# KiCad board PortWing.kicad_pcb
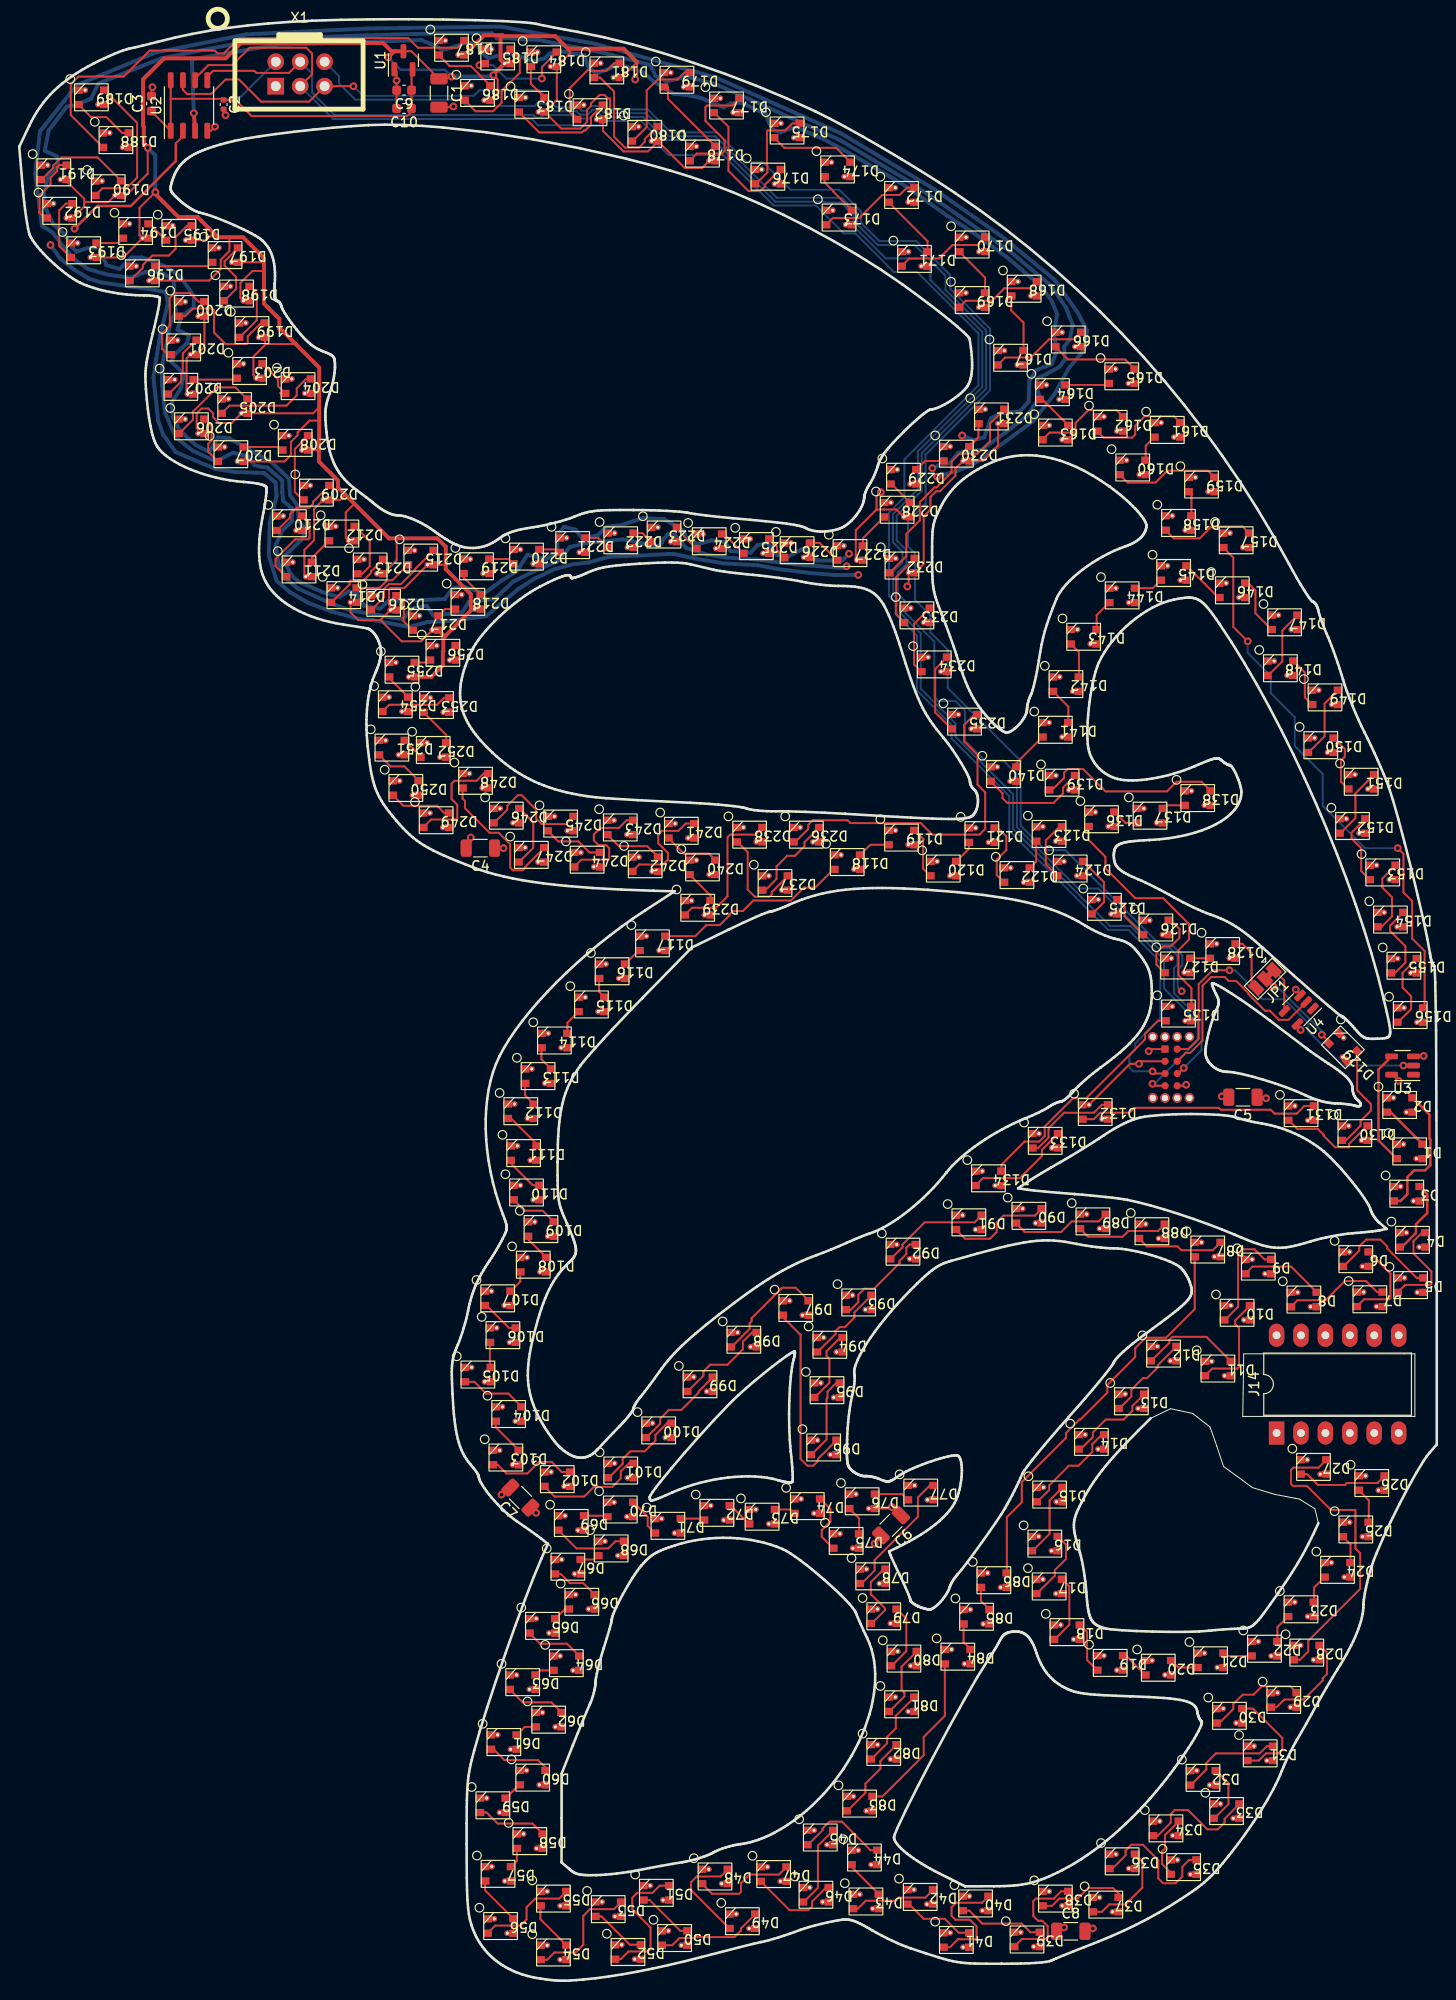
[diagram p0: board, top side]
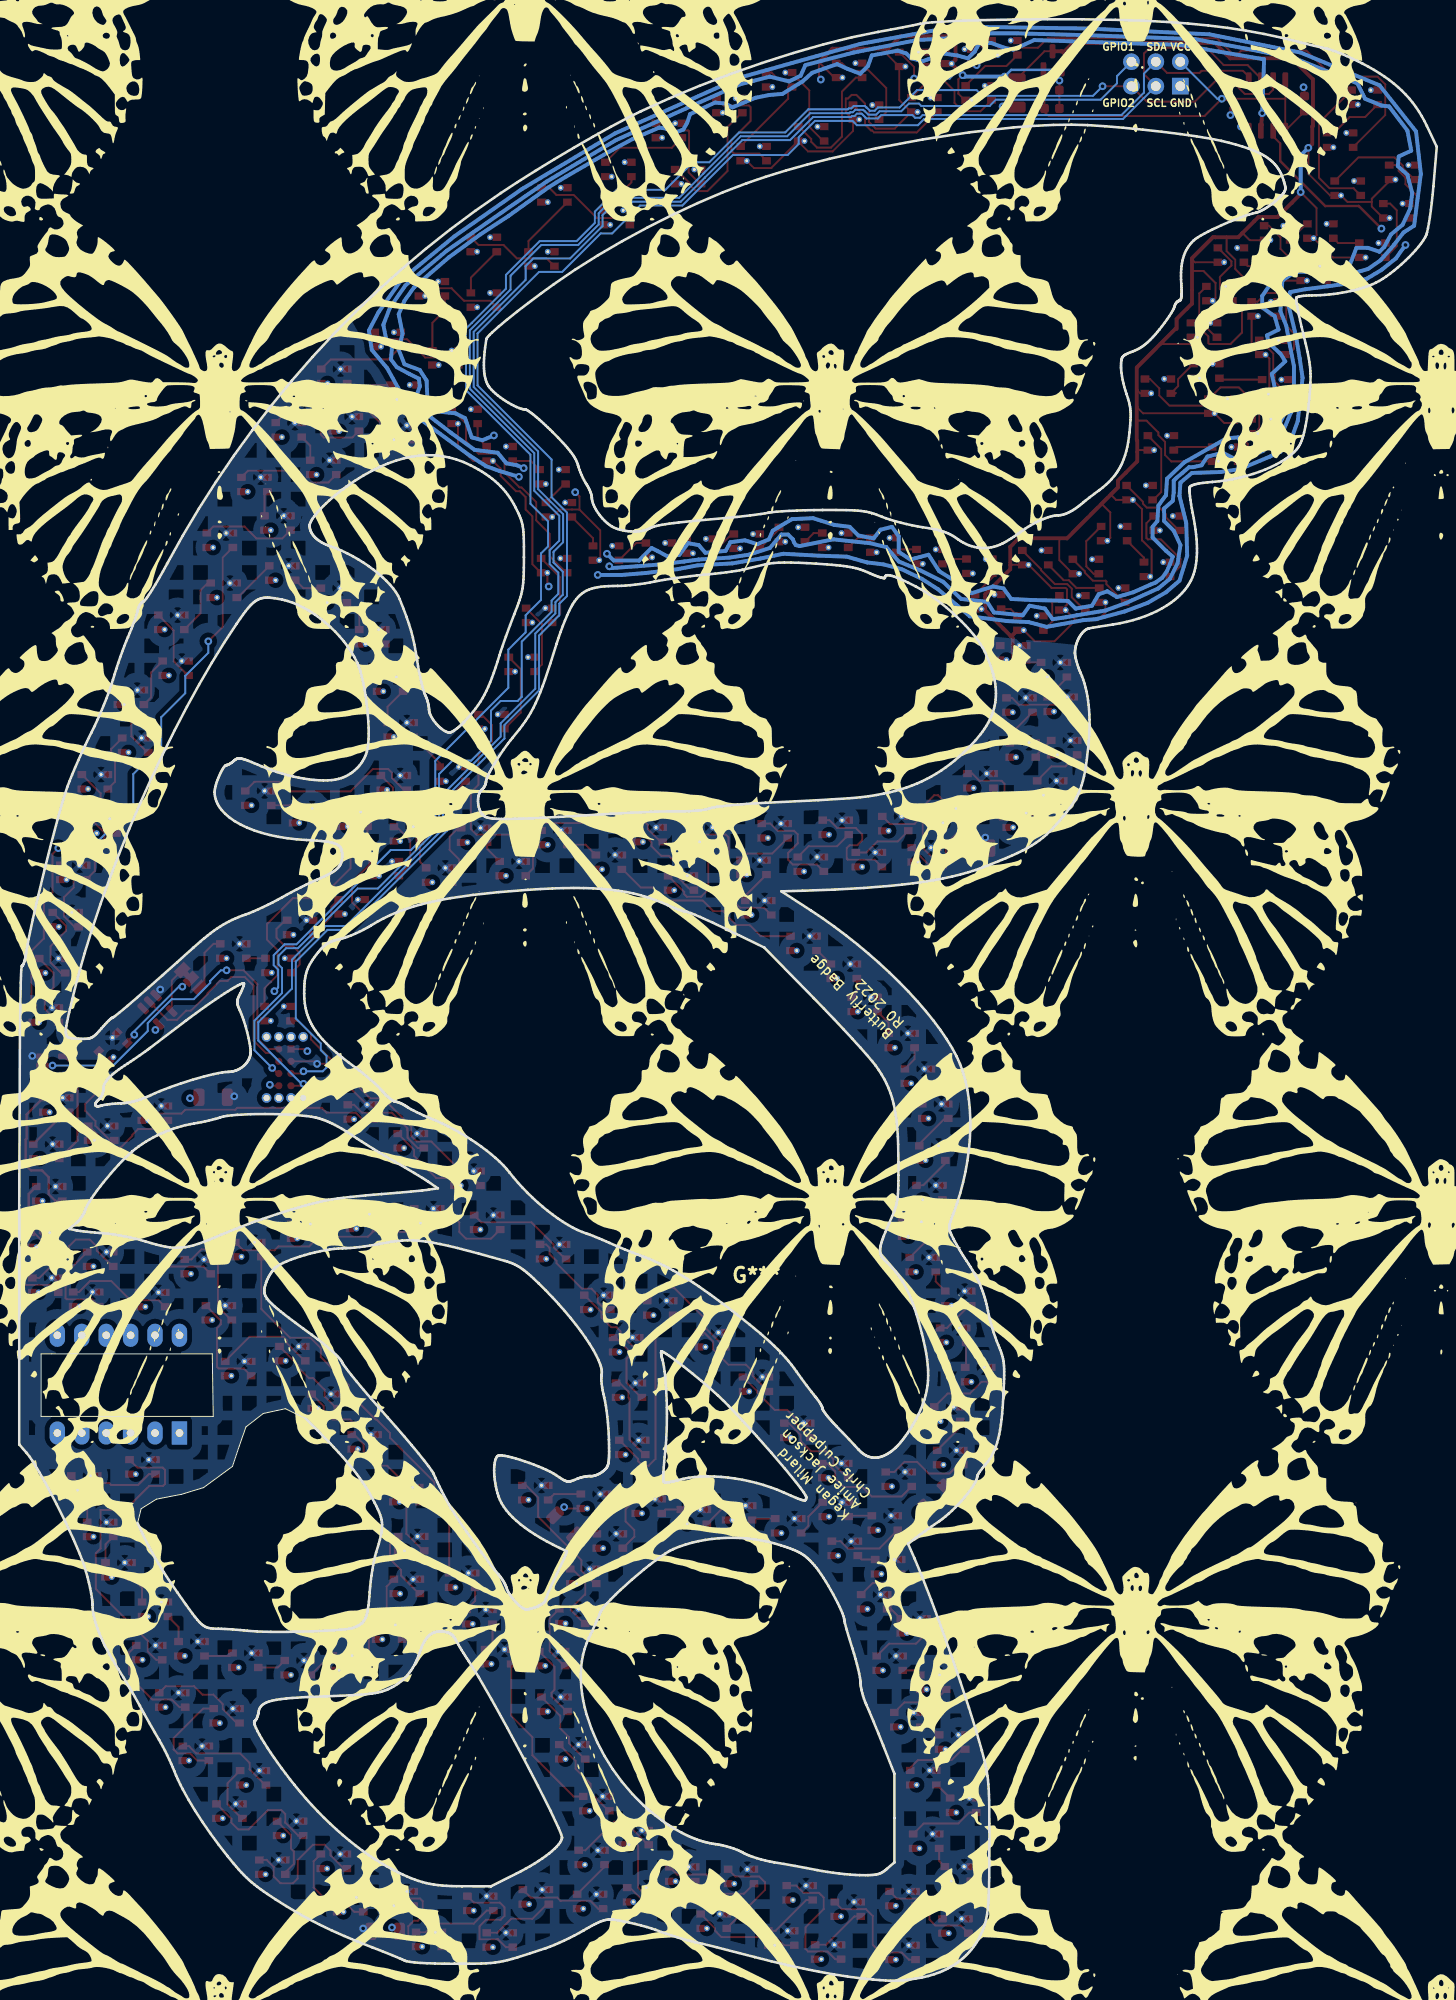
[diagram p1: board, bottom side, seen from below]

Outline 147.42 x 203.91 mm; copper layers: Top, In1.Cu (plane), In2.Cu (plane), Bottom. Coordinates in mm from the lower left corner of the outline.
Stack: Top 0.035mm / dielectric 0.1mm FR4 er 4.5 / In1.Cu 0.035mm / dielectric 1.24mm FR4 er 4.5 / In2.Cu 0.035mm / dielectric 0.1mm FR4 er 4.5 / Bottom 0.035mm

## Placement (name value [footprint] x y rotation side)
C1  22uF  [C_1206_3216Metric]  43.66 196.24 270 top
C2  1uF  [C_0402_1005Metric]  21.26 195.04 270 top
C3  10uF  [C_0603_1608Metric]  13.76 195.14 90 top
C4  22uF  [C_1206_3216Metric]  47.96 117.74 180 top
C5  22uF  [C_1206_3216Metric]  127.26 91.84 180 top
C6  22uF  [C_1206_3216Metric]  90.66 47.34 225 top
C7  22uF  [C_1206_3216Metric]  52.12 50.23 135 top
C8  22uF  [C_1206_3216Metric]  109.36 5.14 0 top
C9  10uF  [C_0603_1608Metric]  40.02 196.53 180 top
C10  10uF  [C_0603_1608Metric]  40.02 194.63 180 top
D1  SK6812  [XL-3528RGBW]  144.6 86.21 180 top
D2  SK6812  [XL-3528RGBW]  143.56 91.04 180 top
D3  SK6812  [XL-3528RGBW]  144.3 81.81 180 top
D4  SK6812  [XL-3528RGBW]  144.9 77.01 180 top
D5  SK6812  [XL-3528RGBW]  144.7 72.31 180 top
D6  SK6812  [XL-3528RGBW]  139 75.01 180 top
D7  SK6812  [XL-3528RGBW]  140.46 70.84 180 top
D8  SK6812  [XL-3528RGBW]  133.6 70.81 180 top
D9  SK6812  [XL-3528RGBW]  128.86 74.24 180 top
D10  SK6812  [XL-3528RGBW]  126.66 69.44 180 top
D11  SK6812  [XL-3528RGBW]  124.66 63.64 180 top
D12  SK6812  [XL-3528RGBW]  119.01 65.19 180 top
D13  SK6812  [XL-3528RGBW]  115.66 60.24 180 top
D14  SK6812  [XL-3528RGBW]  111.5 56.01 180 top
D15  SK6812  [XL-3528RGBW]  107.16 50.54 180 top
D16  SK6812  [XL-3528RGBW]  106.66 45.44 180 top
D17  SK6812  [XL-3528RGBW]  107.11 40.99 180 top
D18  SK6812  [XL-3528RGBW]  108.96 36.24 180 top
D19  SK6812  [XL-3528RGBW]  113.46 33.04 180 top
D20  SK6812  [XL-3528RGBW]  118.46 32.54 180 top
D21  SK6812  [XL-3528RGBW]  123.9 33.31 180 top
D22  SK6812  [XL-3528RGBW]  129.5 34.51 180 top
D23  SK6812  [XL-3528RGBW]  133.3 38.61 180 top
D24  SK6812  [XL-3528RGBW]  137.1 42.71 180 top
D25  SK6812  [XL-3528RGBW]  139 46.91 180 top
D26  SK6812  [XL-3528RGBW]  140.66 51.74 180 top
D27  SK6812  [XL-3528RGBW]  134.6 53.41 180 top
D28  SK6812  [XL-3528RGBW]  133.9 34.11 180 top
D29  SK6812  [XL-3528RGBW]  131.51 29.19 180 top
D30  SK6812  [XL-3528RGBW]  125.86 27.54 180 top
D31  SK6812  [XL-3528RGBW]  129.06 23.64 180 top
D32  SK6812  [XL-3528RGBW]  123.11 21.09 180 top
D33  SK6812  [XL-3528RGBW]  125.56 17.64 180 top
D34  SK6812  [XL-3528RGBW]  119.26 15.84 180 top
D35  SK6812  [XL-3528RGBW]  121.1 11.81 180 top
D36  SK6812  [XL-3528RGBW]  114.7 12.41 180 top
D37  SK6812  [XL-3528RGBW]  113 7.91 180 top
D38  SK6812  [XL-3528RGBW]  107.76 8.54 180 top
D39  SK6812  [XL-3528RGBW]  104.81 4.29 180 top
D40  SK6812  [XL-3528RGBW]  99.46 8.04 180 top
D41  SK6812  [XL-3528RGBW]  97.46 4.24 180 top
D42  SK6812  [XL-3528RGBW]  93.7 8.71 180 top
D43  SK6812  [XL-3528RGBW]  88.06 8.24 180 top
D44  SK6812  [XL-3528RGBW]  87.9 12.81 180 top
D45  SK6812  [XL-3528RGBW]  83.31 14.89 180 top
D46  SK6812  [XL-3528RGBW]  82.86 8.94 180 top
D47  SK6812  [XL-3528RGBW]  78.46 11.09 180 top
D48  SK6812  [XL-3528RGBW]  72.36 10.84 180 top
D49  SK6812  [XL-3528RGBW]  75.21 6.19 180 top
D50  SK6812  [XL-3528RGBW]  68.16 4.44 180 top
D51  SK6812  [XL-3528RGBW]  66.26 9.14 180 top
D52  SK6812  [XL-3528RGBW]  63.31 2.99 180 top
D53  SK6812  [XL-3528RGBW]  61.26 7.44 180 top
D54  SK6812  [XL-3528RGBW]  55.56 2.94 180 top
D55  SK6812  [XL-3528RGBW]  55.56 8.54 180 top
D56  SK6812  [XL-3528RGBW]  50.06 5.69 180 top
D57  SK6812  [XL-3528RGBW]  49.8 11.11 180 top
D58  SK6812  [XL-3528RGBW]  53.1 14.51 180 top
D59  SK6812  [XL-3528RGBW]  49.26 18.24 180 top
D60  SK6812  [XL-3528RGBW]  53.4 21.11 180 top
D61  SK6812  [XL-3528RGBW]  50.4 24.81 180 top
D62  SK6812  [XL-3528RGBW]  55.06 27.14 180 top
D63  SK6812  [XL-3528RGBW]  52.36 31.04 180 top
D64  SK6812  [XL-3528RGBW]  56.9 33.01 180 top
D65  SK6812  [XL-3528RGBW]  54.41 36.89 180 top
D66  SK6812  [XL-3528RGBW]  58.51 39.39 180 top
D67  SK6812  [XL-3528RGBW]  57.06 43.04 180 top
D68  SK6812  [XL-3528RGBW]  61.56 44.94 180 top
D69  SK6812  [XL-3528RGBW]  57.41 47.59 180 top
D70  SK6812  [XL-3528RGBW]  62.51 48.99 180 top
D71  SK6812  [XL-3528RGBW]  67.46 47.29 180 top
D72  SK6812  [XL-3528RGBW]  72.56 48.64 180 top
D73  SK6812  [XL-3528RGBW]  77.26 48.24 180 top
D74  SK6812  [XL-3528RGBW]  81.96 49.34 180 top
D75  SK6812  [XL-3528RGBW]  86 45.71 180 top
D76  SK6812  [XL-3528RGBW]  87.66 49.84 180 top
D77  SK6812  [XL-3528RGBW]  93.76 50.74 180 top
D78  SK6812  [XL-3528RGBW]  88.76 42.04 180 top
D79  SK6812  [XL-3528RGBW]  89.91 37.89 180 top
D80  SK6812  [XL-3528RGBW]  92.01 33.49 180 top
D81  SK6812  [XL-3528RGBW]  91.76 28.74 180 top
D82  SK6812  [XL-3528RGBW]  89.91 23.79 180 top
D83  SK6812  [XL-3528RGBW]  87.4 18.41 180 top
D84  SK6812  [XL-3528RGBW]  97.61 33.69 180 top
D85  SK6812  [XL-3528RGBW]  99.56 37.84 180 top
D86  SK6812  [XL-3528RGBW]  101.36 41.64 180 top
D87  SK6812  [XL-3528RGBW]  123.6 76.01 180 top
D88  SK6812  [XL-3528RGBW]  117.8 77.91 180 top
D89  SK6812  [XL-3528RGBW]  111.66 78.94 180 top
D90  SK6812  [XL-3528RGBW]  105 79.51 180 top
D91  SK6812  [XL-3528RGBW]  98.76 78.84 180 top
D92  SK6812  [XL-3528RGBW]  91.91 75.79 180 top
D93  SK6812  [XL-3528RGBW]  87.3 70.51 180 top
D94  SK6812  [XL-3528RGBW]  84.3 66.11 180 top
D95  SK6812  [XL-3528RGBW]  84.01 61.39 180 top
D96  SK6812  [XL-3528RGBW]  83.66 55.44 180 top
D97  SK6812  [XL-3528RGBW]  80.76 69.94 180 top
D98  SK6812  [XL-3528RGBW]  75.36 66.64 180 top
D99  SK6812  [XL-3528RGBW]  70.8 62.01 180 top
D100  SK6812  [XL-3528RGBW]  66.5 57.21 180 top
D101  SK6812  [XL-3528RGBW]  62.56 53.04 180 top
D102  SK6812  [XL-3528RGBW]  55.96 52.14 180 top
D103  SK6812  [XL-3528RGBW]  50.61 54.39 180 top
D104  SK6812  [XL-3528RGBW]  50.9 58.91 180 top
D105  SK6812  [XL-3528RGBW]  47.7 63.01 180 top
D106  SK6812  [XL-3528RGBW]  50.3 67.11 180 top
D107  SK6812  [XL-3528RGBW]  49.76 70.94 180 top
D108  SK6812  [XL-3528RGBW]  53.46 74.44 180 top
D109  SK6812  [XL-3528RGBW]  54.26 78.14 180 top
D110  SK6812  [XL-3528RGBW]  52.76 81.94 180 top
D111  SK6812  [XL-3528RGBW]  52.46 86.04 180 top
D112  SK6812  [XL-3528RGBW]  52.16 90.39 180 top
D113  SK6812  [XL-3528RGBW]  53.96 94.04 180 top
D114  SK6812  [XL-3528RGBW]  55.66 97.74 180 top
D115  SK6812  [XL-3528RGBW]  59.51 101.49 180 top
D116  SK6812  [XL-3528RGBW]  61.66 104.94 180 top
D117  SK6812  [XL-3528RGBW]  65.86 107.84 180 top
D118  SK6812  [XL-3528RGBW]  86.11 116.29 180 top
D119  SK6812  [XL-3528RGBW]  91.76 118.84 180 top
D120  SK6812  [XL-3528RGBW]  96.1 115.61 180 top
D121  SK6812  [XL-3528RGBW]  100.11 119.09 180 top
D122  SK6812  [XL-3528RGBW]  103.76 114.94 180 top
D123  SK6812  [XL-3528RGBW]  107.1 119.21 180 top
D124  SK6812  [XL-3528RGBW]  109.3 115.61 180 top
D125  SK6812  [XL-3528RGBW]  112.86 111.64 180 top
D126  SK6812  [XL-3528RGBW]  118.21 109.49 180 top
D127  SK6812  [XL-3528RGBW]  120.46 105.54 180 top
D128  SK6812  [XL-3528RGBW]  125.16 107.04 180 top
D129  SK6812  [XL-3528RGBW#2]  137.66 97.04 135 top
D130  SK6812  [XL-3528RGBW]  138.9 88.11 180 top
D131  SK6812  [XL-3528RGBW]  133.31 90.19 180 top
D132  SK6812  [XL-3528RGBW]  111.9 90.31 180 top
D133  SK6812  [XL-3528RGBW]  106.7 87.31 180 top
D134  SK6812  [XL-3528RGBW]  100.8 83.41 180 top
D135  SK6812  [XL-3528RGBW]  120.56 100.54 180 top
D136  SK6812  [XL-3528RGBW]  112.56 120.74 180 top
D137  SK6812  [XL-3528RGBW]  117.6 121.11 180 top
D138  SK6812  [XL-3528RGBW]  122.56 122.94 180 top
D139  SK6812  [XL-3528RGBW]  108.46 124.54 180 top
D140  SK6812  [XL-3528RGBW]  102.36 125.44 180 top
D141  SK6812  [XL-3528RGBW]  107.76 130.04 180 top
D142  SK6812  [XL-3528RGBW]  108.86 134.79 180 top
D143  SK6812  [XL-3528RGBW]  110.7 139.71 180 top
D144  SK6812  [XL-3528RGBW]  114.7 144.01 180 top
D145  SK6812  [XL-3528RGBW]  120.06 146.34 180 top
D146  SK6812  [XL-3528RGBW]  126.16 144.54 180 top
D147  SK6812  [XL-3528RGBW]  131.6 141.21 180 top
D148  SK6812  [XL-3528RGBW]  131.16 136.44 180 top
D149  SK6812  [XL-3528RGBW]  135.8 133.41 180 top
D150  SK6812  [XL-3528RGBW]  135.36 128.44 180 top
D151  SK6812  [XL-3528RGBW]  139.56 124.64 180 top
D152  SK6812  [XL-3528RGBW]  138.66 120.04 180 top
D153  SK6812  [XL-3528RGBW]  141.8 115.21 180 top
D154  SK6812  [XL-3528RGBW]  142.6 110.31 180 top
D155  SK6812  [XL-3528RGBW]  144 105.51 180 top
D156  SK6812  [XL-3528RGBW]  144.66 100.39 180 top
D157  SK6812  [XL-3528RGBW]  126.56 149.74 180 top
D158  SK6812  [XL-3528RGBW]  120.56 151.54 180 top
D159  SK6812  [XL-3528RGBW]  122.96 155.54 180 top
D160  SK6812  [XL-3528RGBW]  115.8 157.31 180 top
D161  SK6812  [XL-3528RGBW]  119.4 161.21 180 top
D162  SK6812  [XL-3528RGBW]  113.46 161.84 180 top
D163  SK6812  [XL-3528RGBW]  107.76 160.94 180 top
D164  SK6812  [XL-3528RGBW]  107.46 165.14 180 top
D165  SK6812  [XL-3528RGBW]  114.66 166.79 180 top
D166  SK6812  [XL-3528RGBW]  109.1 170.61 180 top
D167  SK6812  [XL-3528RGBW]  103.1 168.71 180 top
D168  SK6812  [XL-3528RGBW]  104.51 175.89 180 top
D169  SK6812  [XL-3528RGBW]  99.1 174.71 180 top
D170  SK6812  [XL-3528RGBW]  99.11 180.49 180 top
D171  SK6812  [XL-3528RGBW]  93.11 178.99 180 top
D172  SK6812  [XL-3528RGBW]  91.76 185.64 180 top
D173  SK6812  [XL-3528RGBW]  85.26 183.29 180 top
D174  SK6812  [XL-3528RGBW]  85.11 188.29 180 top
D175  SK6812  [XL-3528RGBW]  79.86 192.34 180 top
D176  SK6812  [XL-3528RGBW]  77.86 187.54 180 top
D177  SK6812  [XL-3528RGBW]  73.56 194.94 180 top
D178  SK6812  [XL-3528RGBW]  71.06 189.94 180 top
D179  SK6812  [XL-3528RGBW]  68.4 197.61 180 top
D180  SK6812  [XL-3528RGBW]  65.06 191.99 180 top
D181  SK6812  [XL-3528RGBW]  61.11 198.59 180 top
D182  SK6812  [XL-3528RGBW]  59.36 194.24 180 top
D183  SK6812  [XL-3528RGBW]  53.3 195.01 180 top
D184  SK6812  [XL-3528RGBW]  54.56 199.74 180 top
D185  SK6812  [XL-3528RGBW]  49.76 200.04 180 top
D186  SK6812  [XL-3528RGBW]  47.66 196.24 180 top
D187  SK6812  [XL-3528RGBW]  44.96 200.94 180 top
D188  SK6812  [XL-3528RGBW]  10.06 191.34 180 top
D189  SK6812  [XL-3528RGBW]  7.51 195.79 180 top
D190  SK6812  [XL-3528RGBW]  9.26 186.34 180 top
D191  SK6812  [XL-3528RGBW]  3.6 187.99 180 top
D192  SK6812  [XL-3528RGBW]  4.21 183.99 180 top
D193  SK6812  [XL-3528RGBW]  6.71 179.89 180 top
D194  SK6812  [XL-3528RGBW]  12.11 181.89 180 top
D195  SK6812  [XL-3528RGBW]  16.61 181.69 180 top
D196  SK6812  [XL-3528RGBW]  12.81 177.49 180 top
D197  SK6812  [XL-3528RGBW]  21.41 179.39 180 top
D198  SK6812  [XL-3528RGBW]  22.61 175.39 180 top
D199  SK6812  [XL-3528RGBW]  24.21 171.59 180 top
D200  SK6812  [XL-3528RGBW]  17.91 173.79 180 top
D201  SK6812  [XL-3528RGBW]  17.11 169.79 180 top
D202  SK6812  [XL-3528RGBW]  16.81 165.69 180 top
D203  SK6812  [XL-3528RGBW]  23.96 167.34 180 top
D204  SK6812  [XL-3528RGBW]  29 165.77 180 top
D205  SK6812  [XL-3528RGBW]  22.41 163.69 180 top
D206  SK6812  [XL-3528RGBW]  17.91 161.59 180 top
D207  SK6812  [XL-3528RGBW]  22.01 158.69 180 top
D208  SK6812  [XL-3528RGBW]  28.7 159.87 180 top
D209  SK6812  [XL-3528RGBW]  30.91 154.69 180 top
D210  SK6812  [XL-3528RGBW]  28.1 151.51 180 top
D211  SK6812  [XL-3528RGBW]  29.1 146.71 180 top
D212  SK6812  [XL-3528RGBW]  33.56 150.44 180 top
D213  SK6812  [XL-3528RGBW]  36.5 147.01 180 top
D214  SK6812  [XL-3528RGBW]  33.76 144.04 180 top
D215  SK6812  [XL-3528RGBW]  41.76 147.94 180 top
D216  SK6812  [XL-3528RGBW]  37.9 143.24 180 top
D217  SK6812  [XL-3528RGBW]  42.26 141.14 180 top
D218  SK6812  [XL-3528RGBW]  46.66 143.34 180 top
D219  SK6812  [XL-3528RGBW]  47.56 147.04 180 top
D220  SK6812  [XL-3528RGBW]  52.76 148.04 180 top
D221  SK6812  [XL-3528RGBW]  57.56 149.24 180 top
D222  SK6812  [XL-3528RGBW]  62.56 149.74 180 top
D223  SK6812  [XL-3528RGBW]  67.06 150.34 180 top
D224  SK6812  [XL-3528RGBW]  71.76 149.64 180 top
D225  SK6812  [XL-3528RGBW]  76.66 149.14 180 top
D226  SK6812  [XL-3528RGBW]  80.9 148.71 180 top
D227  SK6812  [XL-3528RGBW]  86.4 148.41 180 top
D228  SK6812  [XL-3528RGBW]  91.3 152.91 180 top
D229  SK6812  [XL-3528RGBW]  91.96 156.34 180 top
D230  SK6812  [XL-3528RGBW]  97.46 158.74 180 top
D231  SK6812  [XL-3528RGBW]  101.1 162.61 180 top
D232  SK6812  [XL-3528RGBW]  91.8 147.11 180 top
D233  SK6812  [XL-3528RGBW]  93.36 141.94 180 top
D234  SK6812  [XL-3528RGBW]  95.16 136.84 180 top
D235  SK6812  [XL-3528RGBW]  98.31 130.89 180 top
D236  SK6812  [XL-3528RGBW]  81.86 119.14 180 top
D237  SK6812  [XL-3528RGBW]  78.6 114.11 180 top
D238  SK6812  [XL-3528RGBW]  75.96 119.14 180 top
D239  SK6812  [XL-3528RGBW]  70.56 111.54 180 top
D240  SK6812  [XL-3528RGBW]  71.06 115.74 180 top
D241  SK6812  [XL-3528RGBW]  68.86 119.54 180 top
D242  SK6812  [XL-3528RGBW]  65.1 116.07 180 top
D243  SK6812  [XL-3528RGBW]  62.51 119.89 180 top
D244  SK6812  [XL-3528RGBW]  59.06 116.54 180 top
D245  SK6812  [XL-3528RGBW]  56.31 120.29 180 top
D246  SK6812  [XL-3528RGBW]  50.66 121.11 180 top
D247  SK6812  [XL-3528RGBW]  53.26 117.04 180 top
D248  SK6812  [XL-3528RGBW]  47.46 124.74 180 top
D249  SK6812  [XL-3528RGBW]  43.36 120.64 180 top
D250  SK6812  [XL-3528RGBW]  40.21 123.99 180 top
D251  SK6812  [XL-3528RGBW]  38.76 128.19 180 top
D252  SK6812  [XL-3528RGBW]  43.06 127.94 180 top
D253  SK6812  [XL-3528RGBW]  43.4 132.61 180 top
D254  SK6812  [XL-3528RGBW]  39.11 132.69 180 top
D255  SK6812  [XL-3528RGBW]  39.81 136.29 180 top
D256  SK6812  [XL-3528RGBW]  44.06 138.04 180 top
G***  LOGO  [tiledBgLg]  70.76 73.34 180 bottom
J1  Conn_02x04_Odd_Even  [FlatFlexWingConnector-WingPCBSide]  119.16 96.85 0 top
J14  Conn_02x06_Counter_Clockwise  [DIP-12_W10.16mm_LongPads]  130.76 56.94 90 top
JP1  Jumper_3_Bridged12  [SolderJumper-3_P1.3mm_Bridged12_Pad1.0x1.5mm]  129.56 104.14 225 top
U1  XC6206PxxxMR  [SOT-23]  39.96 199.64 90 top
U2  ~  [SOP-8_3.9x4.9mm_P1.27mm]  17.66 194.94 90 top
U3  SN74LV1T34DBV  [SOT-23-5]  143.86 95.14 180 top
U4  SN74LV1T34DBV  [SOT-23-5]  133.06 100.94 225 top
X1  Badgelife_sao_connector_v169bis  [Badgelife-SAOv169-BADGE-2x3]  29.16 198.24 0 top

## Library data of the parts
C1 C4-C8 = -: Description: Unpolarized capacitor; LCSC: C12891
C2 = -: Description: Unpolarized capacitor
C3 C9 C10 = -: Description: Unpolarized capacitor; LCSC: C96446
D1-D256 = -: Description: RGB LED with integrated controller; LCSC: C2890364
J1 = -: Description: Generic connector, double row, 02x04, odd/even pin numbering scheme (row 1 odd numbers, row 2 even numbers), script generated (kicad-library-utils/schlib/autogen/connector/)
J14 = -: Description: Generic connector, double row, 02x06, counter clockwise pin numbering scheme (similar to DIP package numbering), script generated (kicad-library-utils/schlib/autogen/connector/)
JP1 = -: Description: Jumper, 3-pole, pins 1+2 closed/bridged
U1 = -: Description: Positive 60-250mA Low Dropout Regulator, Fixed Output, SOT-23; LCSC: C5446
U2 = -: LCSC: C155601
U3 U4 = -: Description: Single Power Supply, Single Buffer GATE, CMOS Logic, Level Shifter, SOT-23-5

## Footprints (pads in the part's own frame, mm; a bottom-side part is the same pattern mirrored in y, then rotated)
Badgelife-SAOv169-BADGE-2x3
  oval 1.727x1.727 hole 1.016: 1(-2.48,1.25) 3(0.06,1.25) 4(0.06,-1.29)
  rect 1.727x1.727 hole 1.016: 2(-2.48,-1.29)
  round 1.727 hole 1.016: 5(2.6,1.25) 6(2.6,-1.29)
C_0402_1005Metric
  rrect 0.56x0.62 smd: 1(-0.48,0) 2(0.48,0)
C_0603_1608Metric
  rrect 0.9x0.95 smd: 1(-0.775,0) 2(0.775,0)
C_1206_3216Metric
  rrect 1.15x1.8 smd: 1(-1.475,0) 2(1.475,0)
DIP-12_W10.16mm_LongPads
  rect 2.4x1.6 hole 0.8: 1(0,0)
  oval 2.4x1.6 hole 0.8: 2(0,-2.54) 3(0,-5.08) 4(0,-7.62) 5(0,-10.16) 6(0,-12.7) 7(10.16,-12.7) 8(10.16,-10.16) 9(10.16,-7.62) 10(10.16,-5.08) 11(10.16,-2.54) 12(10.16,0)
FlatFlexWingConnector-WingPCBSide
  oval 1x1 hole 0.65: (-1.27,1.27) (-1.27,-5.08) (0,1.27) (0,-5.08) (1.27,1.27) (1.27,-5.08) (2.54,1.27) (2.54,-5.08)
  rect 0.75x0.75 smd: 1(0,0)
  oval 0.75x0.75 smd: 2(1.27,0) 3(0,-1.27) 4(1.27,-1.27) 5(0,-2.54) 6(1.27,-2.54) 7(0,-3.81) 8(1.27,-3.81)
SolderJumper-3_P1.3mm_Bridged12_Pad1.0x1.5mm
  rect 1x1.5 smd: 1(-1.3,0) 2(0,0) 3(1.3,0)
SOP-8_3.9x4.9mm_P1.27mm
  rrect 1.65x0.6 smd: 1(-2.625,1.905) 2(-2.625,0.635) 3(-2.625,-0.635) 4(-2.625,-1.905) 5(2.625,-1.905) 6(2.625,-0.635) 7(2.625,0.635) 8(2.625,1.905)
SOT-23
  rrect 1.475x0.6 smd: 1(-0.938,0.95) 2(-0.938,-0.95) 3(0.938,0)
SOT-23-5
  rrect 1.325x0.6 smd: 1(-1.137,0.95) 2(-1.137,0) 3(-1.137,-0.95) 4(1.137,-0.95) 5(1.137,0.95)
XL-3528RGBW
  round 0.6 hole 0.3: 1(0.65,-0.75) 3(-0.7,0.75)
  rect 0.9x0.75 smd: 1(1.35,-0.75) 2(1.35,0.75) 3(-1.35,0.75) 4(-1.35,-0.75)
XL-3528RGBW#2
  round 0.6 hole 0.3: 1(0.65,-0.75) 3(-0.7,0.75)
  rect 0.9x0.75 smd: 1(1.35,-0.75) 2(1.35,0.75) 3(-1.35,0.75) 4(-1.35,-0.75)

## Nets
/3V3: C2.1 C3.1 C9.1 C10.1 U1.2 U2.1 U2.8 X1.1
/5V: C1.1 C4.1 C5.1 C6.1 C7.1 C8.1 D1.3 D2.3 D3.3 D4.3 D5.3 D6.3 D7.3 D8.3 D9.3 D10.3 D11.3 D12.3 D13.3 D14.3 D15.3 D16.3 D17.3 D18.3 D19.3 D20.3 D21.3 D22.3 D23.3 D24.3 D25.3 D26.3 D27.3 D28.3 D29.3 D30.3 D31.3 D32.3 D33.3 D34.3 D35.3 D36.3 D37.3 D38.3 D39.3 D40.3 D41.3 D42.3 D43.3 D44.3 D45.3 D46.3 D47.3 D48.3 D49.3 D50.3 D51.3 D52.3 D53.3 D54.3 D55.3 D56.3 D57.3 D58.3 D59.3 D60.3 D61.3 D62.3 D63.3 D64.3 D65.3 D66.3 D67.3 D68.3 D69.3 D70.3 D71.3 D72.3 D73.3 D74.3 D75.3 D76.3 D77.3 D78.3 D79.3 D80.3 D81.3 D82.3 D83.3 D84.3 D85.3 D86.3 D87.3 D88.3 D89.3 D90.3 D91.3 D92.3 D93.3 D94.3 D95.3 D96.3 D97.3 D98.3 D99.3 D100.3 D101.3 D102.3 D103.3 D104.3 D105.3 D106.3 D107.3 D108.3 D109.3 D110.3 D111.3 D112.3 D113.3 D114.3 D115.3 D116.3 D117.3 D118.3 D119.3 D120.3 D121.3 D122.3 D123.3 D124.3 D125.3 D126.3 D127.3 D128.3 D129.3 D130.3 D131.3 D132.3 D133.3 D134.3 D135.3 D136.3 D137.3 D138.3 D139.3 D140.3 D141.3 D142.3 D143.3 D144.3 D145.3 D146.3 D147.3 D148.3 D149.3 D150.3 D151.3 D152.3 D153.3 D154.3 D155.3 D156.3 D157.3 D158.3 D159.3 D160.3 D161.3 D162.3 D163.3 D164.3 D165.3 D166.3 D167.3 D168.3 D169.3 D170.3 D171.3 D172.3 D173.3 D174.3 D175.3 D176.3 D177.3 D178.3 D179.3 D180.3 D181.3 D182.3 D183.3 D184.3 D185.3 D186.3 D187.3 D188.3 D189.3 D190.3 D191.3 D192.3 D193.3 D194.3 D195.3 D196.3 D197.3 D198.3 D199.3 D200.3 D201.3 D202.3 D203.3 D204.3 D205.3 D206.3 D207.3 D208.3 D209.3 D210.3 D211.3 D212.3 D213.3 D214.3 D215.3 D216.3 D217.3 D218.3 D219.3 D220.3 D221.3 D222.3 D223.3 D224.3 D225.3 D226.3 D227.3 D228.3 D229.3 D230.3 D231.3 D232.3 D233.3 D234.3 D235.3 D236.3 D237.3 D238.3 D239.3 D240.3 D241.3 D242.3 D243.3 D244.3 D245.3 D246.3 D247.3 D248.3 D249.3 D250.3 D251.3 D252.3 D253.3 D254.3 D255.3 D256.3 J1.1 U1.3 U3.5 U4.5
/GND: C1.2 C2.2 C3.2 C4.2 C5.2 C6.2 C7.2 C8.2 C9.2 C10.2 D1.1 D2.1 D3.1 D4.1 D5.1 D6.1 D7.1 D8.1 D9.1 D10.1 D11.1 D12.1 D13.1 D14.1 D15.1 D16.1 D17.1 D18.1 D19.1 D20.1 D21.1 D22.1 D23.1 D24.1 D25.1 D26.1 D27.1 D28.1 D29.1 D30.1 D31.1 D32.1 D33.1 D34.1 D35.1 D36.1 D37.1 D38.1 D39.1 D40.1 D41.1 D42.1 D43.1 D44.1 D45.1 D46.1 D47.1 D48.1 D49.1 D50.1 D51.1 D52.1 D53.1 D54.1 D55.1 D56.1 D57.1 D58.1 D59.1 D60.1 D61.1 D62.1 D63.1 D64.1 D65.1 D66.1 D67.1 D68.1 D69.1 D70.1 D71.1 D72.1 D73.1 D74.1 D75.1 D76.1 D77.1 D78.1 D79.1 D80.1 D81.1 D82.1 D83.1 D84.1 D85.1 D86.1 D87.1 D88.1 D89.1 D90.1 D91.1 D92.1 D93.1 D94.1 D95.1 D96.1 D97.1 D98.1 D99.1 D100.1 D101.1 D102.1 D103.1 D104.1 D105.1 D106.1 D107.1 D108.1 D109.1 D110.1 D111.1 D112.1 D113.1 D114.1 D115.1 D116.1 D117.1 D118.1 D119.1 D120.1 D121.1 D122.1 D123.1 D124.1 D125.1 D126.1 D127.1 D128.1 D129.1 D130.1 D131.1 D132.1 D133.1 D134.1 D135.1 D136.1 D137.1 D138.1 D139.1 D140.1 D141.1 D142.1 D143.1 D144.1 D145.1 D146.1 D147.1 D148.1 D149.1 D150.1 D151.1 D152.1 D153.1 D154.1 D155.1 D156.1 D157.1 D158.1 D159.1 D160.1 D161.1 D162.1 D163.1 D164.1 D165.1 D166.1 D167.1 D168.1 D169.1 D170.1 D171.1 D172.1 D173.1 D174.1 D175.1 D176.1 D177.1 D178.1 D179.1 D180.1 D181.1 D182.1 D183.1 D184.1 D185.1 D186.1 D187.1 D188.1 D189.1 D190.1 D191.1 D192.1 D193.1 D194.1 D195.1 D196.1 D197.1 D198.1 D199.1 D200.1 D201.1 D202.1 D203.1 D204.1 D205.1 D206.1 D207.1 D208.1 D209.1 D210.1 D211.1 D212.1 D213.1 D214.1 D215.1 D216.1 D217.1 D218.1 D219.1 D220.1 D221.1 D222.1 D223.1 D224.1 D225.1 D226.1 D227.1 D228.1 D229.1 D230.1 D231.1 D232.1 D233.1 D234.1 D235.1 D236.1 D237.1 D238.1 D239.1 D240.1 D241.1 D242.1 D243.1 D244.1 D245.1 D246.1 D247.1 D248.1 D249.1 D250.1 D251.1 D252.1 D253.1 D254.1 D255.1 D256.1 J1.3 U1.1 U2.4 U3.3 U4.3 X1.2